# Altium PCB LCD_Board_2.PcbDoc (part 2 of 2)
Units mm, origin at the board's own origin, x right, y up, seen from the top; angles counter-clockwise.
Board outline 96.52 x 66.04 mm, 2 copper layers (Top Layer, Bottom Layer), stack 1.569 mm thick; 78 components, 59 nets, 336 pads, 182 vias.
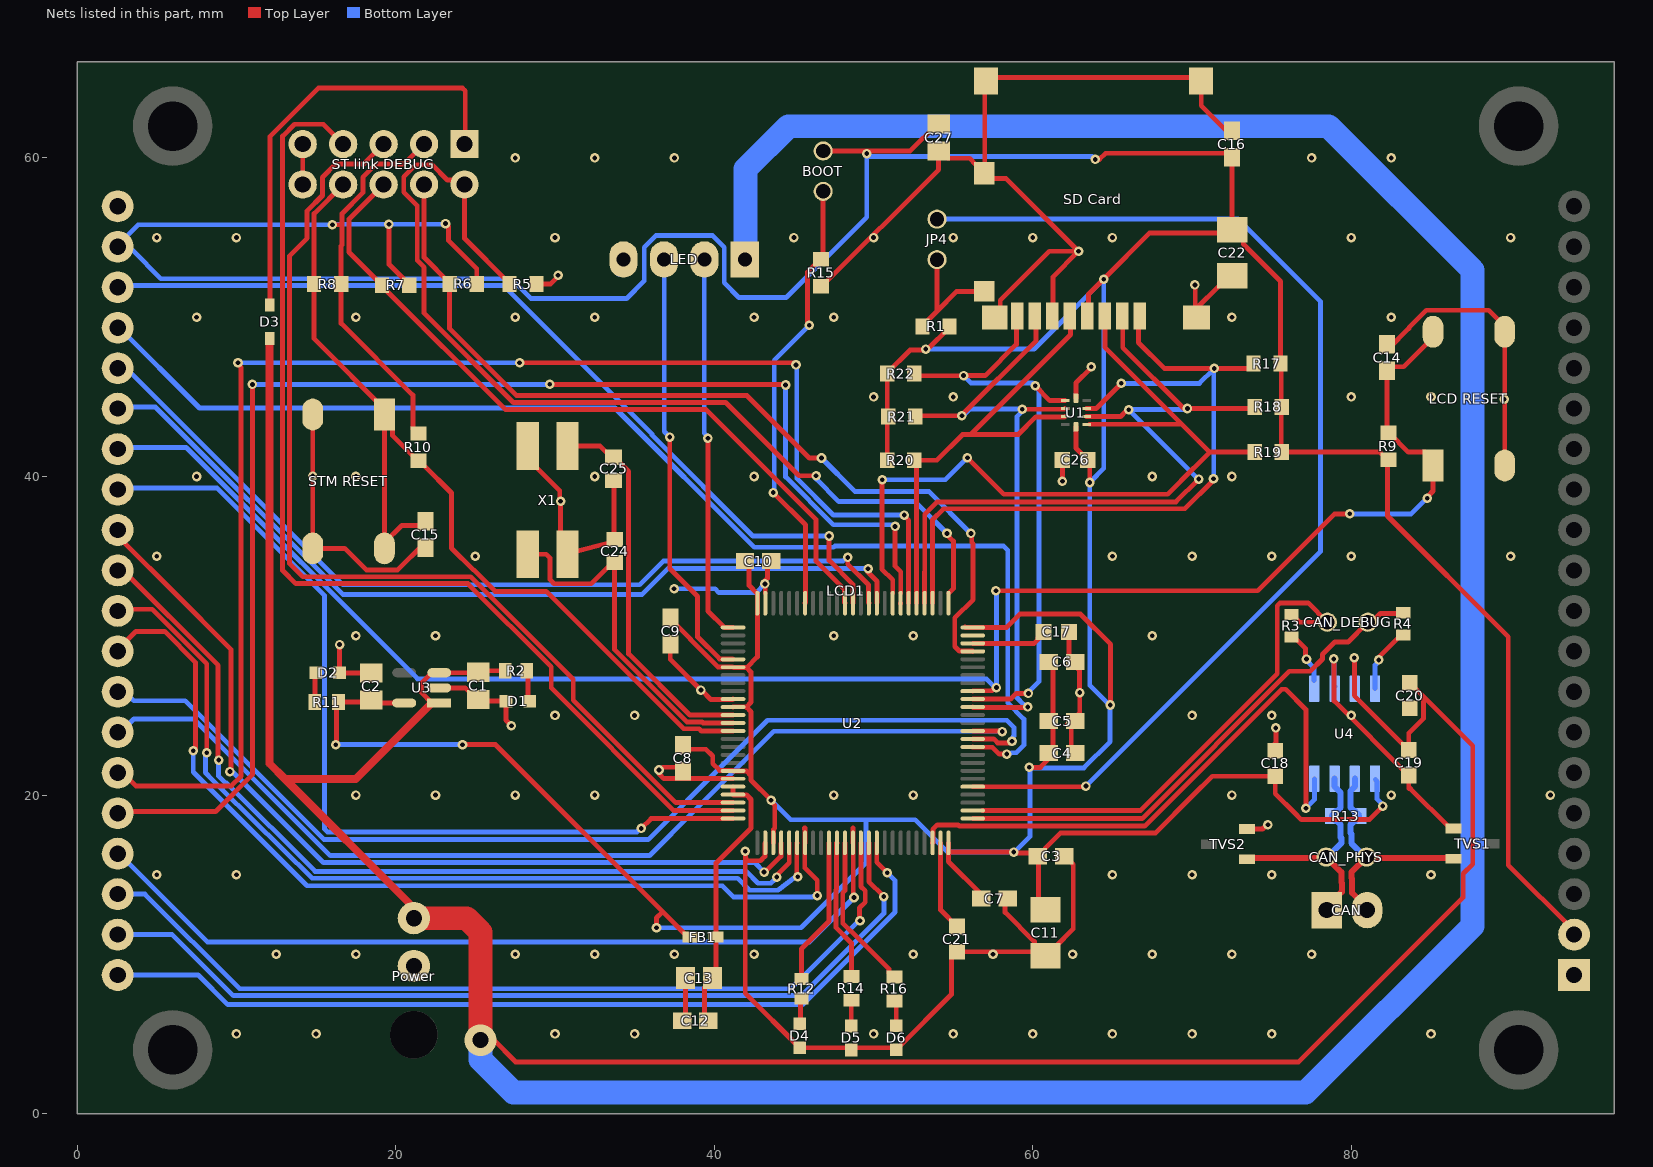
[diagram p2: the nets of this part, all layers, seen from the top]

## Via types
v1: diameter 0.6, hole 0.3, Top Layer to Bottom Layer, tented both sides, 178 vias
v2: diameter 0.6, hole 0.3, Top Layer to Bottom Layer, 3 vias
v3: diameter 2, hole 1, Top Layer to Bottom Layer, tented both sides, 1 vias

## Nets (pads, with @x,y where several pads share a name; then routed paths per layer and width w, separated by ;. In a path a pad name is that pad's centre, name@x,y a point inside that pad or via, vN(x,y) a via of type N, cw(c..) or ccw(c..) an arc to the next point about the centre after c; other vN are vias at no path point)
3V3: "SD Card.4" "ST link DEBUG.2" BOOT.1 C2.1 C3.2 C4.2 C5.2 C6.2 C7.2 C8.2 C9.2 C10.2 C11.2 C16.2 C18.2 C22.2 C26.1 C27.2 FB1.1 LCD1.2 LCD1.22 R1.2 R6.2 R7.2 R8.2 R9.2 R10.2 R11.1 R17.2 R18.2 R19.2 R20.2 R21.2 R22.2 U1.10 U2.6 U2.11 U2.19 U2.28 U2.50 U2.75 U2.100 U3.5 U4.5 | length 452.8
  Top Layer w0.305: v1(16.027,55.804) 16.637,55.804 ; v1(16.24,23.165) 16.24,23.263 16.277,23.3 16.277,25.706 R11.1@16.412,25.842 18.583,25.842 18.644,25.781 U3.5@20.531,25.781 ; v1(19.577,55.842) 19.577,53.32 20.841,52.056 R7.2@20.841,52.006 ; R10.2@21.425,42.696 21.375,42.696 21.077,42.993 21.077,45.112 16.573,49.616 R8.2@16.573,52.083 16.573,54.481 16.637,54.545 16.637,55.804 ; 21.78,60.871 20.539,59.63 18.783,59.63 17.942,58.788 17.942,57.817 16.637,56.512 16.637,55.804 ; v1(23.127,55.88) 23.311,55.695 23.311,54.826 25.084,53.053 R6.2@25.084,52.095 ; v1(24.194,23.165) 26.264,23.165 36.754,12.675 ; v1(36.373,11.671) 36.373,12.293 36.754,12.675 ; C9.2@37.257,31.12 37.257,31.047 37.61,30.694 37.613,30.694 38.517,29.79 38.517,29.751 40.221,28.046 41.157,28.046 U2.6@41.18,28.024 41.202,28.001 42.027,28.001 ; C8.2@37.963,23.172 38.256,22.88 39.478,22.88 39.905,22.453 39.905,21.973 40.332,21.546 41.157,21.546 U2.19@41.18,21.524 41.202,21.501 42.027,21.501 42.307,21.221 ; FB1.1@38.466,11.087 38.342,11.087 36.754,12.675 ; U2.11@41.18,25.524 41.202,25.546 42.027,25.546 42.307,25.826 42.307,27.721 42.027,28.001 ; 42.027,25.501 42.307,25.221 42.307,21.221 ; C10.2@42.182,34.684 42.182,33.166 42.705,32.644 U2.100@42.705,32.049 42.705,28.678 42.027,28.001 ; v1(43.568,19.677) 42.307,20.938 42.307,21.221 ; v1@43.652,19.593 43.624,19.566 43.624,19.541 43.797,19.368 43.797,17.917 43.727,17.846 43.727,17.021 U2.28@43.704,16.999 ; BOOT.1@46.838,60.439 v1@49.57,60.439 ; v1(49.57,60.273) v1@49.57,60.439 ; R20.2@50.863,41.021 R22.2@50.863,46.457 50.863,46.507 52.298,47.942 53.338,47.942 54.773,49.377 R1.2@54.773,49.427 ; C27.2@54.089,62.126 53.989,62.126 52.303,60.439 v1@49.57,60.439 ; U2.50@54.705,16.999 U2.50@54.705,16.445 ; U2.75@55.732,30.551 55.759,30.524 U2.75@56.23,30.524 58.351,30.524 59.19,31.363 62.993,31.363 64.884,29.472 v1@64.884,25.679 ; C7.2@57.016,13.5 57.016,13.6 56.856,13.76 56.756,13.76 54.705,15.812 U2.50@54.705,16.445 ; v1@58.744,16.365 60.114,16.365 C3.2@60.321,16.158 ; v1@58.864,16.418 54.732,16.418 U2.50@54.705,16.445 ; v1(59.78,21.74) 60.473,21.74 61.265,22.531 C6.2@61.265,28.359 ; C11.2@60.795,12.598 60.353,13.04 60.353,16.126 C3.2@60.321,16.158 ; U1.10@62.706,43.118 62.706,41.789 C26.1@63.34,41.156 ; C26.1@63.351,41.065 63.571,40.846 v1(63.571,39.624) ; 63.416,50.072 63.501,50.157 63.501,51.458 64.439,52.395 67.337,55.294 C22.2@72.517,55.294 ; v1(63.919,59.906) 64.18,59.906 64.572,60.298 72.504,60.298 72.504,55.307 C22.2@72.517,55.294 ; v2@81.993,19.324 81.13,18.46 76.852,18.46 76.438,18.874 75.222,20.091 C18.2@75.222,21.182 71.263,21.182 70.059,19.978 67.696,17.615 61.73,17.615 60.748,16.632 60.748,16.512 60.394,16.158 C3.2@60.321,16.158 ; LCD1.2@93.983,11.242 93.983,11.469 89.851,15.601 89.851,29.943 82.271,37.523 82.271,41.048 81.791,41.529 R19.2@75.639,41.529 75.596,41.573 75.596,44.374 75.596,47.048 R17.2@75.552,47.092 75.552,52.259 73.215,54.596 73.215,54.846 72.767,55.294 C22.2@72.517,55.294
  Bottom Layer w0.305: v1(16.24,23.165) v1(24.194,23.165) ; v1(23.127,55.88) 23.089,55.842 v1(19.577,55.842) 16.066,55.842 v1(16.027,55.804) 3.823,55.804 2.54,54.521 2.864,54.197 3.478,54.197 5.257,52.418 14.371,52.418 14.376,52.413 27.255,52.413 28.497,51.171 34.489,51.171 35.601,52.283 35.601,54.395 36.328,55.122 39.897,55.122 40.26,54.759 40.624,54.395 40.624,53.895 40.624,52.162 41.549,51.237 44.522,51.237 49.57,56.285 v1(49.57,60.273) 49.754,60.09 63.735,60.09 v1(63.919,59.906) ; v1(36.373,11.671) 45.448,11.671 49.529,15.753 49.529,18.448 ; v1(43.568,19.677) 44.797,18.448 49.529,18.448 ; v2(53.28,47.997) 60.074,47.997 v2(64.455,52.379) 64.455,40.508 63.655,39.708 v1@63.571,39.708 ; v1(59.78,21.74) 59.78,21.678 v1@59.817,21.641 ; v1(63.571,39.624) 63.571,26.883 v1@64.826,25.629 ; v1(64.858,25.653) 64.858,23.358 63.204,21.704 59.88,21.704 v1@59.817,21.641 ; U4.5@81.51,20.968 81.615,20.862 81.615,19.743 81.968,19.39 v2(81.968,19.31) ; 49.529,18.448 52.614,18.448 54.628,16.434 58.864,16.434 59.817,17.386 v1@59.817,21.641
  other v1: 58.798,16.416
5V: C1.1 C19.2 C20.2 D3.K LED.1 Power.2 R2.1 U3.1 U3.3 U4.3 | length 330.5
  Top Layer w0.305: U3.1@22.265,25.781 21.627,26.419 21.627,27.042 22.265,27.681 U3.3@22.732,27.681 25.16,27.681 C1.1@25.187,27.708 25.28,27.8 R2.1@26.931,27.8 ; v3@26.111,4.656 27.519,3.248 76.695,3.248 82.756,9.309 87.022,13.575 87.022,15.073 87.617,15.669 87.617,23.1 84.52,26.197 ; v1(80.188,28.614) 80.188,26.237 C19.2@83.604,22.82 83.604,23.887 84.52,24.803 84.52,26.197 ; C20.2@83.668,27.049 84.52,26.197
  Top Layer w0.5: D3.K@12.08,48.667 12.062,48.649 12.062,21.993 13.049,21.006 ; Power.2@21.14,12.268 20.847,12.561 20.847,13.208 13.049,21.006 ; U3.1@22.732,25.781 22.265,25.781 17.491,21.006 13.049,21.006
  Top Layer w1.5: Power.2@21.14,12.268 24.436,12.268 25.314,11.39 v3(25.314,4.608)
  Bottom Layer w0.305: v1(80.188,28.614) 80.203,28.599 80.203,26.974 U4.3@80.217,26.96
  Bottom Layer w1.5: v3(25.314,4.608) 25.314,3.397 27.395,1.316 77.131,1.316 87.602,11.787 87.602,52.951 78.564,61.989 44.654,61.989 41.962,59.298 41.962,53.379 LED.1@42.062,53.279
5V_DEBUG: "ST link DEBUG.1" D3.A | length 27.5
  Top Layer w0.305: D3.A@12.08,50.767 12.115,50.801 12.115,61.367 15.133,64.385 24.184,64.385 24.362,64.207 24.362,60.913 24.32,60.871
BOOT0: BOOT.2 R15.2 U2.94 | length 28.1
  Top Layer w0.305: v1(43.706,38.99) 45.727,36.969 45.727,32.071 U2.94@45.705,32.049 ; v1(45.961,49.492) 45.858,49.595 45.858,52.842 46.661,53.645 R15.2@46.711,53.645 46.838,53.772 BOOT.2@46.838,57.899
  Bottom Layer w0.305: v1(43.706,38.99) 43.77,39.055 43.77,47.301 v1(45.961,49.492)
CAN2_N: CAN.2 CAN_PHYS.2 R13.1 TVS1.2 U4.6 | length 15.7
  Top Layer w0.381: CAN.2@80.938,12.558 CAN.2@80.938,12.683 ; CAN.2@80.992,12.776 80.992,12.901 80.039,13.854 80.039,14.754 80.004,14.789 80.004,15.155 CAN_PHYS.2@80.956,16.107 81.01,16.053 86.353,16.053 TVS1.2@86.407,15.999
  Bottom Layer w0.381: U4.6@80.218,21.026 80.218,20.526 79.955,20.263 79.955,19.209 80.179,18.986 80.228,18.986 80.488,18.727 R13.1@80.488,18.677 80.488,18.627 80.228,18.367 80.179,18.367 79.955,18.144 79.955,17.605 80.004,17.557 80.004,16.978 80.874,16.107 CAN_PHYS.2@80.956,16.107
CAN2_P: CAN.1 CAN_PHYS.1 R13.2 TVS2.1 U4.7 | length 15.3
  Top Layer w0.381: TVS2.1@73.45,15.97 73.519,16.039 78.485,16.039 79.369,15.155 79.369,14.526 79.404,14.491 79.404,13.919 78.452,12.967 CAN.1@78.452,12.776 ; CAN.1@78.398,12.558 CAN.1@78.398,12.748
  Bottom Layer w0.381: CAN_PHYS.1@78.416,16.107 78.498,16.107 79.369,16.978 79.369,17.294 79.32,17.342 79.32,18.144 79.097,18.367 79.047,18.367 78.788,18.627 R13.2@78.788,18.677 78.788,18.727 79.047,18.986 79.097,18.986 79.32,19.209 79.32,20.153 78.948,20.526 U4.7@78.948,21.026
GND: "LCD RESET.3" "LCD RESET.4" "SD Card.6" "SD Card.10" "SD Card.11" "SD Card.12" "SD Card.13" "SD Card.14" "ST link DEBUG.5" "ST link DEBUG.10" "STM RESET.3" "STM RESET.4" C1.2 C2.2 C3.1 C4.1 C5.1 C6.1 C7.1 C8.1 C9.1 C10.1 C11.1 C12.1 C13.1 C14.1 C15.1 C16.1 C17.1 C18.1 C19.1 C20.1 C21.1 C22.1 C24.1 C25.1 C26.2 C27.1 D1.1 D2.1 D4.1 D5.1 D6.1 LCD1.1 LCD1.21 LED.4 Power.1 R5.2 R15.1 TVS1.1 TVS2.2 U1.5 U2.10 U2.20 U2.27 U2.74 U2.99 U3.2 U4.2 X1.2 X1.4 | length 227
  Top Layer w0.305: 14.16,60.871 14.16,58.331 14.16,58.28 14.232,58.209 ; 14.788,39.654 14.791,39.658 ; 14.791,43.888 14.791,39.658 ; v1(16.478,29.449) 16.476,29.446 16.476,27.518 D2.1@16.492,27.502 ; D2.1@16.492,27.673 18.371,27.673 C2.2@18.435,27.609 ; C15.1@21.896,35.763 21.757,35.763 20.129,34.136 18.155,34.136 16.803,35.488 14.791,35.488 14.791,39.658 ; U3.2@22.732,26.731 24.364,26.731 25.215,25.88 C1.2@25.367,25.88 ; C1.2@25.187,26.008 25.3,25.895 D1.1@26.923,25.895 26.923,24.696 27.174,24.445 v1@27.174,24.412 ; X1.4@28.285,41.923 28.285,41.123 30.296,39.111 30.296,38.483 v1@30.353,38.427 ; R5.2@28.842,52.083 29.712,52.083 v1@30.211,52.582 ; v1(30.353,38.445) v1@30.353,38.427 ; X1.2@30.76,35.098 30.353,35.506 v1@30.353,38.427 ; X1.2@30.785,35.123 30.83,35.168 33.744,35.941 33.712,35.973 C25.1@33.712,39.903 ; v1(36.53,21.573) 36.571,21.532 36.571,21.289 36.825,21.035 38.031,21.035 41.168,21.035 U2.20@41.18,21.024 ; v1@36.555,21.517 36.779,21.741 C8.1@38.031,21.741 ; C9.1@37.233,29.456 37.233,28.522 v1(39.166,26.589) 39.202,26.589 39.789,26.001 41.157,26.001 U2.10@41.18,26.024 ; C9.1@37.268,29.492 C9.1@37.268,29.528 ; C12.1@38.138,5.817 C12.1@38.138,6.022 ; C12.1@38.189,6.179 C13.1@38.189,8.509 ; C12.1@38.385,5.983 C12.1@38.429,5.939 ; 41.944,15.988 41.944,7.559 45.322,4.181 D4.1@45.322,4.139 ; v1(41.944,16.472) 41.959,16.457 41.959,16.016 42.104,15.871 42.872,15.871 42.902,15.871 43.182,16.151 43.182,16.976 U2.27@43.205,16.999 ; U2.99@43.205,32.671 43.205,33.472 43.332,33.6 C10.1@43.332,34.684 ; D4.1@45.364,4.139 48.603,4.139 D6.1@51.422,4.139 ; R15.1@46.815,51.999 54.082,59.266 54.082,60.418 C27.1@54.089,60.426 ; D6.1@51.422,4.013 51.548,4.139 54.885,7.476 54.885,9.813 55.044,9.972 C21.1@55.369,9.972 ; C27.1@54.478,60.137 54.637,59.978 56.029,59.978 56.427,59.58 56.469,59.58 56.961,59.087 56.961,59.032 ; C21.1@55.369,10.16 60.465,10.16 C11.1@60.474,10.169 ; 56.934,59.018 57.239,58.713 58.31,58.713 62.802,54.221 v1(62.876,54.146) ; 56.979,64.832 56.979,59.355 57.127,59.206 ; 57.066,64.832 57.283,65.049 69.969,65.049 70.22,65.3 70.22,65.345 ; 57.606,49.982 57.959,50.335 57.959,51.069 61.032,54.143 v1@62.723,54.143 ; C7.1@58.266,13.637 58.263,13.634 58.263,12.63 60.097,10.796 60.097,10.546 C11.1@60.474,10.169 ; C11.1@60.518,10.213 C11.1@60.474,10.169 ; C11.1@60.795,10.098 60.545,10.098 C11.1@60.474,10.169 ; 61.216,50.072 61.275,50.131 61.275,52.545 62.829,54.099 v1@62.859,54.099 ; C11.1@61.425,10.478 62.542,11.596 62.542,15.638 62.402,15.778 62.402,15.805 61.998,16.208 C3.1@61.972,16.208 ; C26.2@61.85,41.045 61.859,41.036 61.859,39.784 v1@61.959,39.684 ; C5.1@62.188,24.456 C5.1@62.279,24.548 ; C6.1@62.279,28.359 C17.1@62.279,30.237 ; C4.1@62.415,22.651 62.415,24.738 62.575,24.898 62.675,24.898 62.944,25.167 v1(62.944,26.433) ; C6.1@62.415,28.359 62.415,28.259 62.575,28.099 62.675,28.099 62.931,27.843 v1@62.931,26.524 ; U1.5@62.706,44.918 62.706,45.869 63.626,46.788 v1@63.626,46.822 ; 70.179,50.211 70.308,50.34 70.308,50.585 ; v1(70.179,52.029) 70.198,52.01 70.198,50.695 70.308,50.585 ; 70.574,64.802 70.574,63.278 72.404,61.448 C16.1@72.504,61.448 ; C22.1@72.517,52.744 71.719,51.946 71.669,51.946 70.308,50.585 ; TVS2.2@73.557,17.88 73.567,17.87 74.422,17.87 74.682,18.131 v1(74.762,18.131) ; v1(75.258,24.216) 75.258,23.267 75.012,23.022 C18.1@75.287,22.747 ; v1@78.917,28.527 78.917,25.908 C19.1@83.604,21.22 83.604,20.401 83.705,20.401 86.169,17.937 TVS1.1@86.322,17.937 ; C14.1@82.245,48.038 82.345,48.038 83.609,49.302 83.609,49.337 84.713,50.441 88.625,50.441 89.785,49.281 89.785,49.253 ; 89.628,49.088 89.628,40.688 89.628,40.678 89.837,40.469
  Bottom Layer w0.305: v1(30.198,52.638) v1@30.255,52.694 ; LED.4@33.995,52.694 LED.4@34.31,53.01 ; v1(37.476,32.954) 40.049,32.954 40.295,32.709 42.631,32.709 v1(43.177,33.255) ; v1(78.894,28.545) 78.921,28.517 78.921,26.892 U4.2@78.986,26.826
  other v1: 10,5 15,5 30,5 35,5 50,5 55,5 60,5 65,5 70,5 75,5 85,5 12.5,10 17.5,10 27.5,10 32.5,10 37.5,10 42.5,10 52.5,10 57.5,10 62.5,10 67.5,10 72.5,10 77.5,10 5,15 10,15 65,15 70,15 75,15 85,15 17.5,20 22.5,20 27.5,20 32.5,20 47.5,20 52.5,20 72.5,20 82.5,20 92.5,20 27.263,24.357 30,25 35,25 70,25 75,25 80,25 17.5,30 22.5,30 47.5,30 52.5,30 67.5,30 5,35 25,35 65,35 70,35 75,35 80,35 90,35 61.859,39.704 7.5,40 17.5,40 32.5,40 42.5,40 67.5,40 72.5,40 14.798,40.027 89.602,44.846 50,45 55,45 80,45 85,45 63.668,46.886 7.5,50 17.5,50 27.5,50 32.5,50 42.5,50 47.5,50 72.5,50 82.5,50 5,55 10,55 30,55 45,55 50,55 55,55 60,55 65,55 80,55 90,55 27.5,60 32.5,60 37.5,60 77.5,60 82.5,60
LED_BLUE: R16.1 U2.37 | length 9.9
  Top Layer w0.305: U2.37@48.205,16.999 48.205,13.998 48.068,13.861 48.068,11.941 48.56,11.449 48.601,11.449 50.96,9.089 50.96,8.822 51.208,8.574 R16.1@51.308,8.574
LED_GREEN: R14.1 U2.36 | length 8.8
  Top Layer w0.305: U2.36@47.705,16.999 47.684,16.979 47.684,14.088 47.636,14.04 47.636,11.688 48.616,10.709 R14.1@48.616,8.612
LED_RED: R12.1 U2.35 | length 9.3
  Top Layer w0.305: R12.1@45.479,8.457 45.479,10.354 47.205,12.08 U2.35@47.205,16.999
NetC12_2: C12.2 C13.2 FB1.2 U2.21 U2.22 | length 16.9
  Top Layer w0.305: C12.2@39.381,5.829 39.381,7.901 39.889,8.409 C13.2@39.889,8.509 40.116,8.737 FB1.2@40.116,11.087 40.116,15.736 42.307,17.926 42.307,19.721 42.027,20.001 41.202,20.001 U2.22@41.18,20.024 U2.21@41.18,20.524
NetC14_2: "LCD RESET.1" "LCD RESET.2" C14.2 LCD1.27 R9.1 U2.67 | length 113
  Top Layer w0.305: U2.67@56.23,26.524 56.252,26.546 57.437,26.546 57.636,26.746 v1(57.716,26.746) ; v1(57.681,32.824) 74.113,32.824 78.946,37.657 v1(79.906,37.657) ; R9.1@82.321,42.748 R9.1@82.371,42.748 ; v1@84.83,38.599 84.815,38.614 84.815,38.776 85.128,39.089 85.128,40.688 ; 85.16,40.753 85.16,41.006 84.63,41.536 83.584,41.536 R9.1@82.371,42.748 ; 85.38,49.085 85.38,48.99 83.278,46.888 82.245,46.888 82.245,42.824 82.295,42.824 R9.1@82.371,42.748
  Bottom Layer w0.305: LCD1.27@2.54,41.821 6.847,41.821 21.373,27.295 57.087,27.295 57.636,26.746 v1(57.716,26.746) 57.716,32.789 v1(57.681,32.824) ; v1(79.906,37.657) 83.76,37.657 v1@84.777,38.673
  other v1: 84.759,38.64
NetCD1_1: "SD Card.1" R17.1 U1.3 U2.78 | length 49.7
  Top Layer w0.305: U2.78@53.705,32.049 53.705,37.283 54.398,37.977 69.552,37.977 71.346,39.771 v1(71.346,39.858) ; U1.3@63.381,44.268 63.976,44.268 v1@65.546,45.838 ; 66.637,50.104 66.637,48.402 68.254,46.786 v1(71.398,46.786) 73.546,46.786 R17.1@73.852,47.092
  Bottom Layer w0.305: v1(65.554,45.848) 70.461,45.848 v1@71.356,46.744 ; v1(71.346,39.858) 71.356,39.868 v1@71.356,46.744 ; v1@71.356,46.796 v1@71.356,46.744 ; v1(71.398,46.786) v1@71.356,46.744
NetCD1_2: "SD Card.2" R18.1 U1.2 U2.79 | length 48.1
  Top Layer w0.305: U2.79@53.205,32.049 53.205,34.005 53.217,34.018 53.217,37.631 53.994,38.409 68.984,38.409 v1(70.413,39.838) ; U1.2@63.381,43.768 65.511,43.768 v1@65.836,44.093 ; 65.616,50.072 65.645,50.044 65.645,48.096 69.472,44.268 v1(69.71,44.268) 73.755,44.268 73.789,44.234 R18.1@73.929,44.374
  Bottom Layer w0.305: v1(69.71,44.268) 69.638,44.196 v1(66.027,44.196) 70.385,39.838 v1(70.413,39.838)
NetCD1_3: "SD Card.3" R19.1 U1.1 U2.83 | length 50.5
  Top Layer w0.305: v1(50.542,39.794) 50.522,39.774 50.522,34.19 51.205,33.507 U2.83@51.205,32.671 ; v1(55.893,41.173) 58.18,38.886 68.463,38.886 70.121,40.544 70.127,40.544 71.112,41.529 ; U1.1@63.568,43.28 69.361,43.28 ; 64.516,50.072 64.527,50.061 64.527,48.113 69.361,43.28 ; R19.1@73.939,41.529 71.112,41.529 ; 69.361,43.28 71.112,41.529
  Bottom Layer w0.305: v1(50.542,39.794) 54.513,39.794 v1(55.893,41.173)
NetCD1_5: "SD Card.5" R20.1 U1.8 U2.80 | length 29.7
  Top Layer w0.305: U2.80@52.705,32.049 52.705,40.88 R20.1@52.563,41.021 52.705,41.021 53.975,41.021 55.591,42.638 56.099,42.638 ; U1.8@62.031,43.768 62.005,43.742 60.197,43.742 59.093,42.638 56.099,42.638 ; 62.316,50.072 62.375,50.014 62.375,48.914 56.099,42.638
NetCD1_7: "SD Card.7" R21.1 U1.7 U2.65 | length 40.4
  Top Layer w0.305: R21.1@52.614,43.764 52.664,43.814 v1(55.55,43.814) 55.55,43.86 60.19,48.501 60.19,49.998 60.116,50.072 ; U2.65@56.23,25.524 56.252,25.501 59.647,25.501 v1(59.677,25.532) ; v1@59.556,44.221 61.984,44.221 U1.7@62.031,44.268
  Bottom Layer w0.305: v1@55.602,43.816 55.632,43.816 56.044,44.228 v1(59.334,44.228) 59.465,44.228 59.47,44.223 59.018,43.771 59.018,26.092 59.432,25.678 59.451,25.678 59.598,25.532 v1(59.677,25.532)
NetCD1_8: "SD Card.8" R22.1 U1.6 U2.66 | length 39.4
  Top Layer w0.305: R22.1@52.563,46.457 52.691,46.329 55.644,46.329 v1(55.653,46.337) 57.017,46.337 58.972,48.293 58.972,50.029 59.016,50.072 ; U2.66@56.23,26.024 58.602,26.024 58.781,26.202 58.781,26.206 58.959,26.384 v1(59.725,26.384) ; v1(60.152,45.692) 61.076,44.768 U1.6@62.031,44.768
  Bottom Layer w0.305: v1@55.653,46.337 56.128,45.862 59.982,45.862 60.385,45.459 60.385,27.112 59.725,26.451 v1(59.725,26.384)
NetCD1_9: "SD Card.9" JP4.1 R1.1 | length 8.1
  Top Layer w0.305: R1.1@53.073,49.427 53.073,49.477 53.988,50.391 ; JP4.1@53.988,53.618 53.988,50.391 ; 56.961,51.632 56.934,51.605 55.202,51.605 53.988,50.391
NetCN4_2: LED.2 U2.1 | length 24.3
  Top Layer w0.305: v1(39.605,42.4) 39.605,31.55 40.631,30.524 U2.1@41.18,30.524
  Bottom Layer w0.305: LED.2@39.373,53.722 39.373,42.712 39.605,42.48 v1(39.605,42.4)
NetCN4_3: LED.3 U2.5 | length 26.9
  Top Layer w0.305: v1(37.207,42.475) 37.207,34.222 38.948,32.481 38.948,29.93 40.332,28.546 41.157,28.546 U2.5@41.18,28.524
  Bottom Layer w0.305: LED.3@36.777,53.078 36.857,52.998 36.857,42.825 v1(37.207,42.475)
NetD1_2: D1.2 R2.2 | length 2
  Top Layer w0.305: R2.2@28.181,27.8 28.302,27.679 28.302,26.016 D1.2@28.423,25.895
NetD2_2: D2.2 R11.2 | length 1.9
  Top Layer w0.305: R11.2@14.912,25.842 14.943,25.872 14.943,27.643 D2.2@14.973,27.673
NetD4_2: D4.2 R12.2 | length 1.6
  Top Layer w0.305: D4.2@45.364,5.639 45.422,5.696 45.422,7.169 R12.2@45.479,7.226
NetD5_2: D5.2 R14.2 | length 1.6
  Top Layer w0.305: D5.2@48.603,5.5 48.603,7.099 R14.2@48.616,7.112
NetD6_2: D6.2 R16.2 | length 1.6
  Top Layer w0.305: R16.2@51.308,7.074 51.422,6.96 D6.2@51.422,5.513
NetJP1_1: CAN_DEBUG.1 R3.1 U2.52 | length 32.5
  Top Layer w0.305: U2.52@56.852,19.024 66.754,19.024 75.347,27.616 75.347,31.884 75.525,32.062 77.286,32.062 CAN_DEBUG.1@78.496,30.852 76.768,30.852 76.332,31.289 R3.1@76.261,31.289
NetJP1_2: CAN_DEBUG.2 R4.1 U2.51 | length 32.5
  Top Layer w0.305: U2.51@56.23,18.524 66.865,18.524 76.113,27.772 77.417,27.772 78.187,28.542 78.187,28.837 78.96,29.61 79.794,29.61 80.968,30.784 CAN_DEBUG.2@80.968,30.827 ; CAN_DEBUG.2@81.106,30.838 81.264,30.838 81.824,31.398 83.252,31.398 R4.1@83.352,31.398
NetJP4_2: JP4.2 U2.55 | length 69.9
  Top Layer w0.305: U2.55@56.23,20.524 63.296,20.524 v1(63.334,20.562)
  Bottom Layer w0.305: JP4.2@53.988,56.158 72.887,56.158 78.067,50.978 78.067,35.294 v1(63.334,20.562)
NetLCD1_23: LCD1.23 U2.88 | length 56.1
  Top Layer w0.305: v1(47.208,36.266) 47.208,34.732 48.704,33.236 U2.88@48.704,32.049
  Bottom Layer w0.305: LCD1.23@2.54,51.981 26.772,51.981 36.094,42.659 36.094,42.589 42.417,36.266 v1(47.208,36.266)
NetLCD1_24: LCD1.24 U2.60 | length 78.1
  Top Layer w0.305: U2.60@56.207,23.001 U2.60@56.23,23.024 56.252,23.001 57.46,23.001 57.89,22.572 v1(58.365,22.572)
  Bottom Layer w0.305: LCD1.24@2.54,49.441 7.679,44.302 33.77,44.302 42.512,35.56 47.501,35.56 47.568,35.627 58.177,35.627 58.422,35.381 58.422,25.787 59.442,24.768 59.442,23.134 58.967,22.659 58.662,22.659 58.63,22.628 58.422,22.628 v1(58.365,22.572)
NetLCD1_25: LCD1.25 U2.86 | length 55.6
  Top Layer w0.305: v1(48.382,34.92) 48.382,34.492 49.682,33.192 49.682,32.071 U2.86@49.705,32.049
  Bottom Layer w0.305: LCD1.25@2.54,46.901 2.989,46.901 16.683,33.207 35.319,33.207 36.817,34.705 48.087,34.705 48.302,34.92 v1(48.382,34.92)
NetLCD1_26: LCD1.26 U2.85 | length 55.1
  Top Layer w0.305: v1(49.66,34.214) 49.66,33.973 50.227,33.405 50.227,32.071 U2.85@50.205,32.049
  Bottom Layer w0.305: LCD1.26@2.54,44.361 4.918,44.361 16.684,32.595 35.467,32.595 37.087,34.214 v1(49.66,34.214)
NetLCD1_28: LCD1.28 U2.25 | length 56.5
  Top Layer w0.305: v1(35.415,17.907) 36.032,18.524 U2.25@41.18,18.524
  Bottom Layer w0.305: LCD1.28@2.54,39.281 8.776,39.281 15.533,32.523 15.533,17.868 15.712,17.69 35.141,17.69 35.358,17.907 v1(35.415,17.907)
NetLCD1_29: LCD1.29 U2.29 | length 56.7
  Top Layer w0.305: LCD1.29@2.54,36.741 2.54,36.282 3.025,35.797 3.025,35.775 6.016,32.784 9.648,29.152 9.648,21.575 9.589,21.516 v1(9.589,21.477) ; v1(43.13,15.165) 43.178,15.165 43.251,15.237 43.268,15.237 44.182,16.151 44.182,16.976 U2.29@44.205,16.999
  Bottom Layer w0.305: v1(9.589,21.477) 9.746,21.477 15.457,15.766 42.529,15.766 v1(43.13,15.165)
NetLCD1_30: LCD1.30 U2.30 | length 56.3
  Top Layer w0.305: LCD1.30@2.54,34.201 2.787,34.201 8.847,28.14 8.847,22.246 v1(8.896,22.197) ; v1(43.924,14.849) 43.924,14.974 44.705,15.755 U2.30@44.705,16.999
  Bottom Layer w0.305: v1(8.896,22.197) 8.883,22.183 8.883,21.184 9.297,20.77 9.372,20.77 14.936,15.206 41.998,15.206 42.746,14.458 43.552,14.458 43.79,14.697 v1(43.924,14.849)
NetLCD1_31: LCD1.31 U2.31 | length 56.3
  Top Layer w0.305: LCD1.31@2.54,31.661 4.716,31.661 8.138,28.239 8.138,28.01 8.141,28.007 v1(8.141,22.649) ; v1@45.182,14.904 45.182,16.976 U2.31@45.205,16.999
  Bottom Layer w0.305: v1(8.141,22.649) 8.054,22.562 8.054,21.415 8.451,21.005 9.117,20.339 14.751,14.774 41.465,14.774 42.213,14.026 44.014,14.026 v1@45.081,14.85
  other v1: 45.236,14.877
NetLCD1_32: LCD1.32 U2.32 | length 61.1
  Top Layer w0.305: LCD1.32@2.54,29.121 3.692,30.274 5.492,30.274 7.425,28.341 7.425,22.923 v1(7.286,22.784) ; U2.32@45.705,16.999 45.705,17.926 45.657,17.926 45.657,17.872 45.682,17.846 45.682,15.43 46.463,14.649 v1(46.463,13.686)
  Bottom Layer w0.305: v1(7.286,22.784) 7.286,21.445 14.43,14.301 40.512,14.301 41.219,13.594 46.163,13.594 46.198,13.629 46.407,13.629 v1(46.463,13.686)
NetLCD1_33: LCD1.33 U2.61 | length 67
  Top Layer w0.305: U2.61@56.23,23.524 57.549,23.524 57.794,23.279 58.539,23.279 58.644,23.383 v1(58.692,23.383)
  Bottom Layer w0.305: LCD1.33@2.54,26.581 2.907,26.581 3.566,25.922 6.782,25.922 10.904,21.8 ; 10.904,21.8 15.503,17.201 35.859,17.201 38.277,19.618 38.277,19.628 43.343,24.694 58.377,24.694 58.815,24.256 58.815,23.715 58.748,23.648 58.748,23.44 v1(58.692,23.383)
NetLCD1_34: LCD1.34 U2.62 | length 64.5
  Top Layer w0.305: U2.62@56.23,24.024 58.048,24.024 v1(58.086,23.985)
  Bottom Layer w0.305: LCD1.34@2.54,24.041 2.833,24.041 3.566,24.774 7.319,24.774 10.472,21.621 15.895,16.198 35.934,16.198 38.709,18.973 43.743,24.007 58.064,24.007 v1(58.086,23.985)
NetLCD1_35: LCD1.35 U2.81 | length 89.6
  Top Layer w0.305: LCD1.35@2.892,21.37 3.691,20.571 9.684,20.571 10.296,21.183 10.296,46.862 10.099,47.059 v1(10.099,47.139) ; v1(27.777,47.141) 44.996,47.141 v1(45.131,47.007) ; v1(51.923,37.575) 51.923,37.531 52.205,37.249 U2.81@52.205,32.049
  Bottom Layer w0.305: v1(10.099,47.139) 27.775,47.139 v1(27.777,47.141) ; v1(45.131,47.007) 45.183,46.954 45.183,39.878 47.485,37.575 v1(51.923,37.575)
NetLCD1_36: LCD1.36 U2.82 | length 85.6
  Top Layer w0.305: LCD1.36@2.54,18.961 LCD1.36@2.54,19.037 ; LCD1.36@2.813,18.781 2.995,18.962 8.686,18.962 11.002,21.279 v1(11.002,45.783) ; v1(29.675,45.786) 29.695,45.766 44.456,45.766 v1(44.477,45.745) ; v1(51.356,36.868) 51.356,34.369 51.705,34.02 U2.82@51.705,32.671 ; U2.82@51.682,32.026 U2.82@51.705,32.049
  Bottom Layer w0.305: v1(11.002,45.783) 11.004,45.785 29.673,45.785 v1(29.675,45.786) ; v1(44.477,45.745) 44.477,39.973 47.477,36.973 51.252,36.973 v1(51.356,36.868)
NetLCD1_37: LCD1.37 U2.38 | length 55.1
  Top Layer w0.305: U2.38@48.704,16.999 48.704,17.926 48.727,17.926 48.727,16.999 48.727,13.616 v1(48.774,13.569)
  Bottom Layer w0.305: LCD1.37@2.54,16.421 8.194,10.767 45.973,10.767 v1(48.774,13.569)
NetLCD1_38: LCD1.38 U2.39 | length 56
  Top Layer w0.305: v1(49.149,12.106) 49.115,12.14 49.115,12.91 49.481,13.276 49.481,13.982 49.205,14.258 U2.39@49.205,16.999
  Bottom Layer w0.305: LCD1.38@2.543,13.782 4.255,13.782 10.201,7.836 44.811,7.836 49.081,12.106 v1(49.149,12.106)
NetLCD1_39: LCD1.39 U2.40 | length 56.6
  Top Layer w0.305: U2.40@49.705,16.999 49.705,14.569 50.599,13.674 v1@50.641,13.674
  Bottom Layer w0.305: LCD1.39@2.543,11.242 5.959,11.242 9.797,7.404 44.99,7.404 45.502,7.419 45.592,7.509 50.081,11.998 ; 50.063,11.98 50.081,11.998 ; v1(50.648,13.626) 50.648,12.564 50.081,11.998
NetLCD1_40: LCD1.40 U2.41 | length 56.8
  Top Layer w0.305: U2.41@50.205,16.999 50.205,15.777 v1(50.857,15.124)
  Bottom Layer w0.305: LCD1.40@2.543,8.702 7.603,8.702 9.459,6.847 45.541,6.847 51.354,12.66 51.354,14.627 v1(50.857,15.124)
NetR3_2: R3.2 U4.1 | length 3.5
  Top Layer w0.305: R3.2@76.138,29.982 R3.2@76.238,29.982 ; R3.2@76.21,29.931 76.389,29.931 77.126,29.194 77.126,28.593 v1(77.183,28.537)
  Bottom Layer w0.305: v1(77.183,28.537) 77.183,28.457 77.647,27.993 U4.1@77.647,27.182
NetR4_2: R4.2 U4.4 | length 4.1
  Top Layer w0.305: v1(81.724,28.482) 81.781,28.539 81.781,28.727 83.03,29.976 R4.2@83.242,29.976 ; R4.2@83.252,30.098 R4.2@83.352,30.098
  Bottom Layer w0.305: U4.4@81.488,26.676 81.488,28.166 81.693,28.371 v1@81.703,28.371
NetU2_48: U2.48 U4.8 | length 36.8
  Top Layer w0.305: U2.48@53.705,16.999 53.727,17.021 53.727,17.846 54.007,18.126 55.302,18.126 55.382,18.046 67.023,18.046 75.619,26.643 75.872,26.643 77.145,25.37 v1(77.145,19.167)
  Bottom Layer w0.305: v1@77.134,19.16 77.678,19.704 U4.8@77.678,21.026
NRST: "ST link DEBUG.9" "STM RESET.1" "STM RESET.2" C15.2 R8.1 R10.1 U2.14 | length 61.4
  Top Layer w0.305: 16.7,58.331 14.874,56.504 R8.1@14.874,52.083 14.874,48.656 19.54,43.989 19.54,43.639 ; 19.291,35.488 19.291,35.838 ; C15.2@21.869,36.926 20.379,36.926 19.291,35.838 ; U2.14@41.18,24.024 39.192,24.024 39.056,24.16 38.078,24.16 29.45,32.788 26.242,32.788 24.887,34.142 24.859,34.142 23.505,35.496 23.505,38.966 21.773,40.698 21.475,40.996 21.375,40.996 19.789,42.582 19.789,43.39 19.54,43.639 ; 19.291,35.838 19.291,43.888 19.54,43.639
OSC_IN: C25.2 U2.12 X1.3 | length 24.1
  Top Layer w0.305: X1.3@30.785,41.923 32.818,41.923 33.63,41.11 33.68,41.11 33.83,41.11 34.053,40.887 34.621,40.319 34.621,28.866 38.464,25.024 U2.12@41.18,25.024
OSC_OUT: C24.2 U2.13 X1.1 | length 22.5
  Top Layer w0.305: X1.1@28.285,35.123 29.442,35.123 29.69,34.874 29.69,33.519 29.939,33.27 32.273,33.27 33.694,34.691 33.744,34.691 33.744,29.133 38.285,24.592 39.235,24.592 39.303,24.524 U2.13@41.18,24.524
SWCLK: "ST link DEBUG.6" R5.1 U2.76 | length 63.9
  Top Layer w0.305: R5.1@27.142,52.083 27.142,52.133 24.32,54.954 24.32,58.331 24.039,58.613 23.254,58.613 22.295,59.572 21.266,59.572 20.504,58.81 20.504,57.852 21.349,57.007 21.349,53.57 21.78,53.139 21.78,50.253 27.385,44.648 40.72,44.648 45.322,40.046 v1(46.393,40.046) ; v1(54.612,36.424) 54.612,36.344 55.015,35.941 55.015,32.955 U2.76@54.732,32.671
  Bottom Layer w0.305: v1(46.393,40.046) 46.393,39.852 47.818,38.426 52.609,38.426 v1(54.612,36.424)
SWDIO: "ST link DEBUG.7" R6.1 U2.72 | length 56.7
  Top Layer w0.305: 21.78,58.331 21.78,53.749 23.384,52.145 R6.1@23.384,52.095 23.384,49.286 27.59,45.08 42.055,45.08 45.974,41.161 v1(46.733,41.161) ; v1(56.112,36.424) 56.169,36.367 56.169,35.866 56.252,35.782 56.252,32.271 55.102,31.121 55.102,29.326 55.382,29.046 56.207,29.046 U2.72@56.23,29.024
  Bottom Layer w0.305: v1(46.733,41.161) 48.83,39.064 53.472,39.064 v1(56.112,36.424)
SWO: "ST link DEBUG.8" R7.1 U2.89 | length 47.4
  Top Layer w0.305: R7.1@19.141,51.957 26.881,44.216 39.479,44.216 46.398,37.297 46.398,34.68 48.182,32.896 48.182,32.071 U2.89@48.205,32.049 ; R7.1@19.141,52.006 17.069,54.078 17.069,56.159 19.241,58.331
UART_RX: "ST link DEBUG.4" U2.24 | length 67.2
  Top Layer w0.305: 16.7,60.871 15.459,62.112 13.646,62.112 12.903,61.369 12.903,34.098 13.729,33.272 24.536,33.272 29.761,28.047 29.761,26.732 37.47,19.024 U2.24@41.18,19.024
UART_TX: "ST link DEBUG.3" U2.23 | length 64.6
  Top Layer w0.305: 19.241,60.871 17.999,59.63 16.243,59.63 15.402,58.788 15.402,57.643 14.442,56.683 14.442,54.967 13.335,53.861 13.335,34.53 14.161,33.704 24.715,33.704 31.148,27.271 31.148,25.957 37.58,19.524 U2.23@41.18,19.524
"VCAP 1": C21.2 U2.49 | length 5.7
  Top Layer w0.305: U2.49@54.205,16.999 54.205,12.788 C21.2@55.232,11.76
"VCAP 2": C17.2 U2.73 | length 4.8
  Top Layer w0.305: U2.73@56.23,29.524 60.086,29.524 60.332,29.769 60.332,29.89 C17.2@60.679,30.237
pads on no net: LCD1.3 LCD1.4 LCD1.5 LCD1.6 LCD1.7 LCD1.8 LCD1.9 LCD1.10 LCD1.11 LCD1.12 LCD1.13 LCD1.14 LCD1.15 LCD1.16 LCD1.17 LCD1.18 LCD1.19 LCD1.20 MH1.1 MH2.1 MH3.1 MH4.1 Power.None TVS1.3 TVS2.3 U1.4 U1.9 U2.2 U2.3 U2.4 U2.7 U2.8 U2.9 U2.15 U2.16 U2.17 U2.18 U2.26 U2.33 U2.34 U2.42 U2.43 U2.44 U2.45 U2.46 U2.47 U2.53 U2.54 U2.56 U2.57 U2.58 U2.59 U2.63 U2.64 U2.68 U2.69 U2.70 U2.71 U2.77 U2.84 U2.87 U2.90 U2.91 U2.92 U2.93 U2.95 U2.96 U2.97 U2.98 U3.4

## Polygon pours and split planes (outlines as drawn)
GND on Bottom Layer "GND_L02_P001" (solid, pour order 1): 0.042,65.974 96.519,65.974 96.655,65.838 96.587,65.771 96.587,0 0.013,0 0,0.013
GND on Top Layer "GND_L01_P002" (solid, pour order 2): 0.011,65.91 0.157,66.057 96.544,66.057 96.544,0.074 96.618,0 0,0

## Keep-outs
Keep-Out Layer:
  lines w0.254: 0,66.043 0,0 96.539,0 ; 0,66.054 96.543,66.054 96.539,66.051 96.539,0 ; 96.539,0 96.539,0

## Silkscreen, mask and mechanical layers (free items; w line width, h text height)
Top Overlay:
  text "Marie Nikkel / AUVIC Fall 2020 / LCD Board 1.0" at 75.079,61.205 h0.8

## Text inside footprints (layer, text, board x,y; h text height)
FB1: Mechanical 6 "Land Pattern Adapted for Flow Soldering" at 38.291,11.687 h0.05